# KiCad board temp sensor_panel.kicad_pcb (continued)
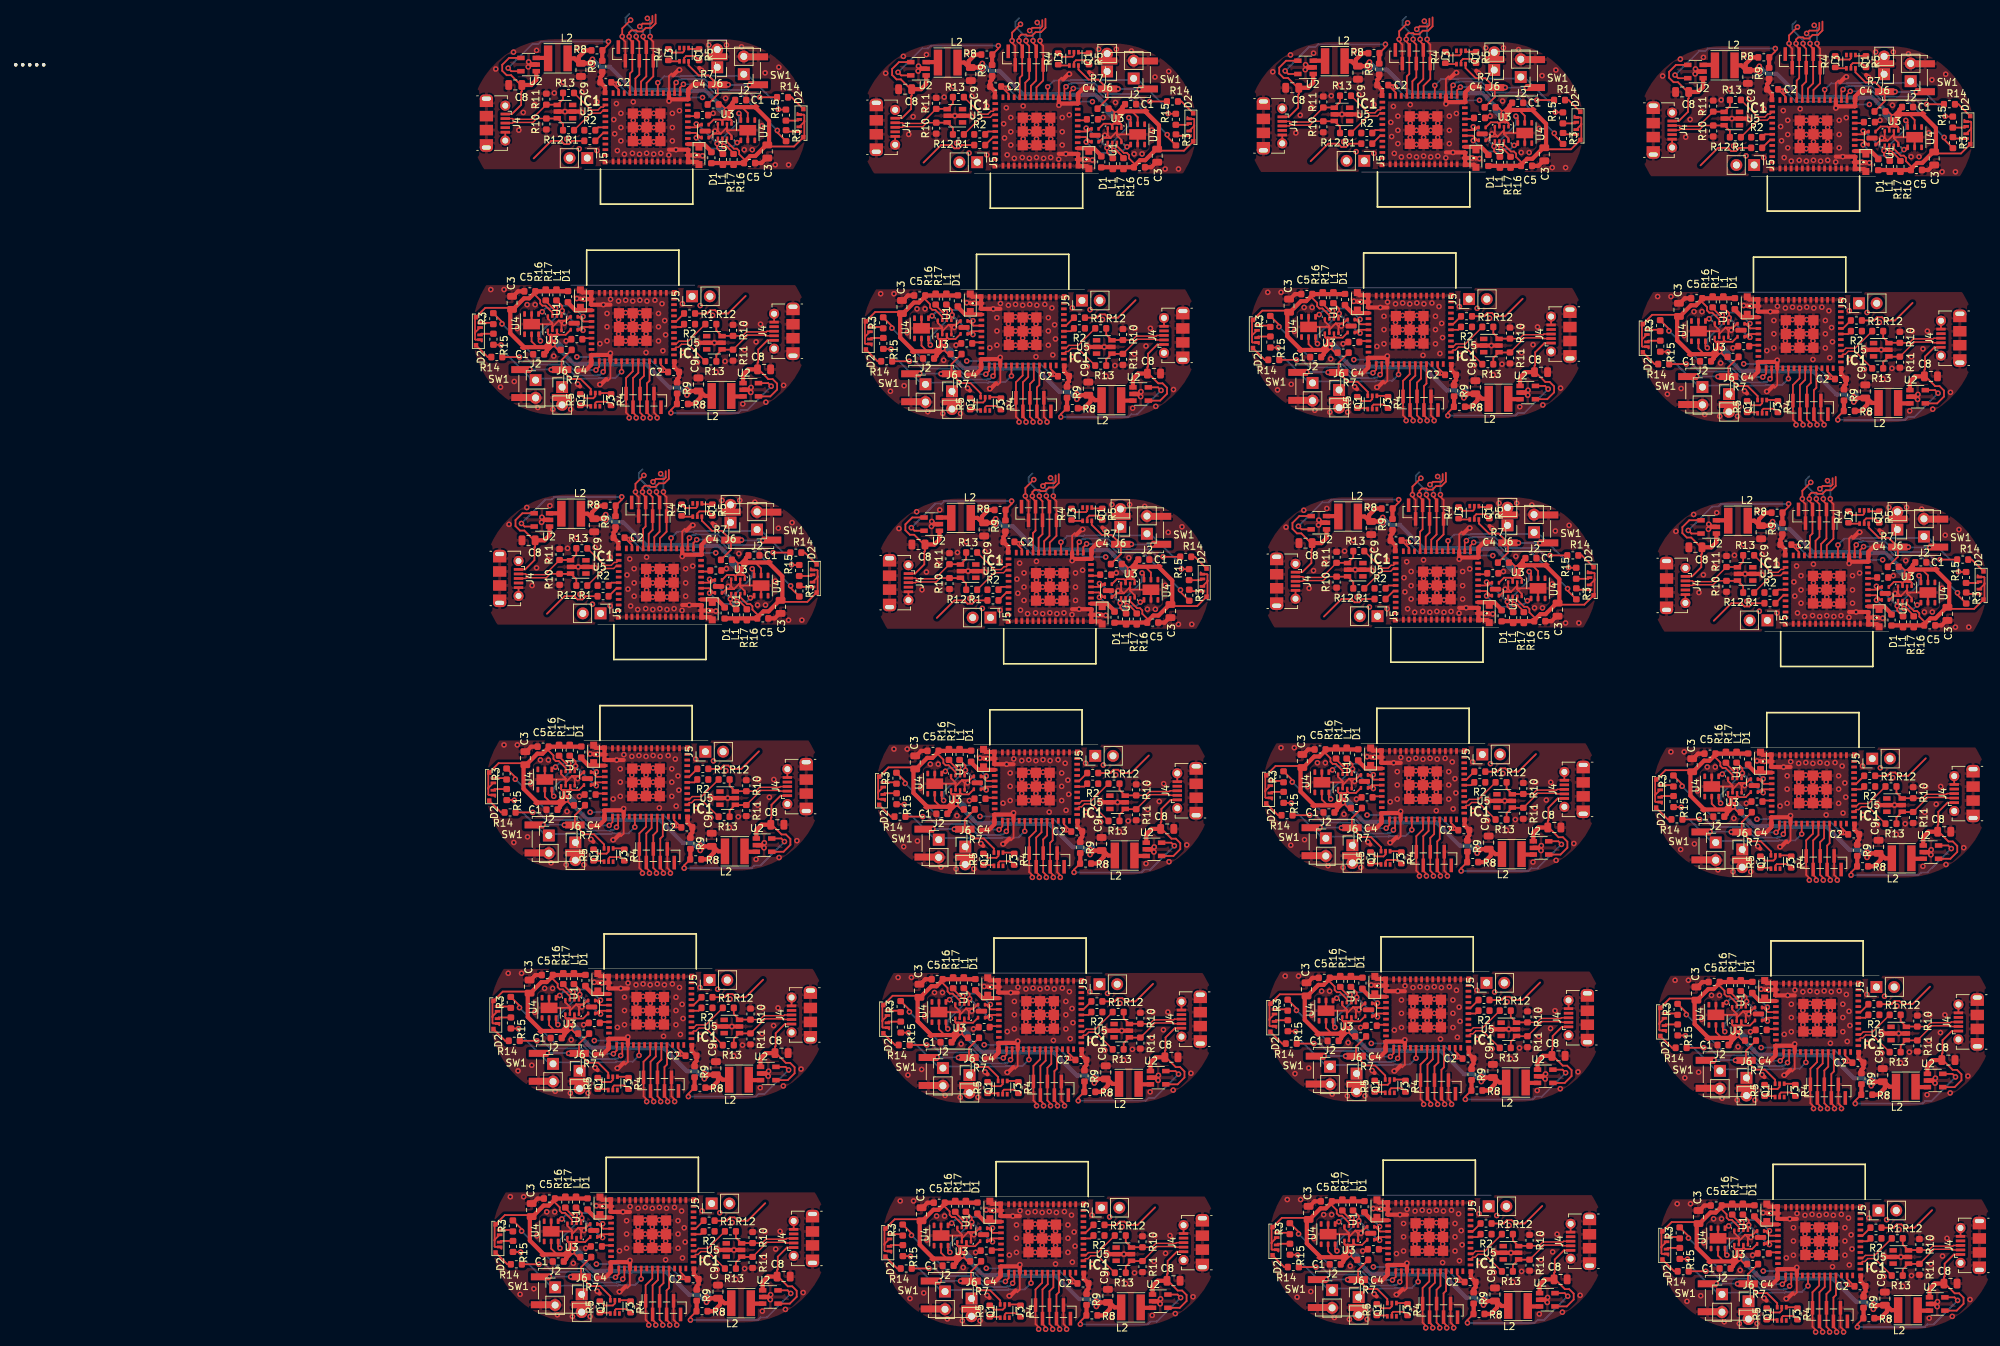
[diagram p0: board, top side]
## Routing (per net, layer and track width the routed paths; a pad name or vN(x,y) marks a point on that pad's centre or on a via; arc(x,y) is an arc through that point) (continued)
  Top w0.6: C1.1 -3.43,121.35 -3.43,121.5 v1(-2.54,122.39) ; v1(-2.41,123.28) -2.41,123.03 ; v1(-2.41,123.28) -2.41,122.52 v1(-2.54,122.39) ; v1(-2.41,123.28) -3.68,122.01 -6.6,122.01 -6.69,121.92 ; C9.1 17.22,115.74 ; 17.22,115.74 v1(16.64,115.15) ; 17.22,115.74 16.81,115.74 v1(16.64,115.91) ; v1(-2.54,122.39) -2.79,122.64 -2.79,123.66 ; R8.2 17.65,113.88 18.59,114.82 18.59,115.66 19.23,115.02 L2.2 ; -6.69,121.92 -6.82,121.92 ; -6.69,121.92 -6.69,122.05 -8.64,124 -8.64,127.28 ; L1.1 -0.41,130.01 -4.93,130.01 -5.93,129.01 -6.67,129.01 -8.26,127.42 ; C1#2.1 23.19,157.04 23.19,156.89 v1(22.3,156) ; v1(22.18,155.11) 22.18,155.37 ; v1(22.18,155.11) 22.18,155.87 v1(22.3,156) ; v1(22.18,155.11) 23.45,156.38 26.37,156.38 26.46,156.47 ; v1(22.3,156) 22.56,155.75 22.56,154.73 ; 2.54,162.65 2.95,162.65 v1(3.13,162.48) ; 2.54,162.65 C9#2.1 ; 2.54,162.65 v1(3.13,163.24) ; 26.46,156.47 26.59,156.47 ; 26.46,156.47 26.46,156.34 28.4,154.4 28.4,151.11 ; R8#2.2 2.11,164.51 1.17,163.57 1.17,162.73 0.54,163.37 L2#2.2 ; 28.02,150.97 26.44,149.39 25.7,149.39 24.69,148.38 20.17,148.38 L1#2.1 ; C1#4.1 52.37,120.75 52.37,120.9 v1(53.26,121.79) ; v1(53.39,122.68) 53.39,122.43 ; v1(53.39,122.68) 53.39,121.92 v1(53.26,121.79) ; v1(53.39,122.68) 52.12,121.41 49.2,121.41 49.11,121.32 ; v1(53.26,121.79) 53.01,122.04 53.01,123.06 ; 73.02,115.14 72.61,115.14 v1(72.44,115.31) ; 73.02,115.14 C9#4.1 ; 73.02,115.14 v1(72.44,114.55) ; 49.11,121.32 48.98,121.32 ; 49.11,121.32 49.11,121.45 47.16,123.4 47.16,126.68 ; R8#4.2 73.45,113.28 74.39,114.22 74.39,115.06 75.03,114.42 L2#4.2 ; 47.55,126.82 49.13,128.41 49.87,128.41 50.87,129.41 55.39,129.41 L1#4.1 ; C1#3.1 78.99,156.44 78.99,156.29 v1(78.1,155.4) ; C9#3.1 58.34,162.05 ; 58.34,162.05 58.75,162.05 v1(58.93,161.88) ; 58.34,162.05 v1(58.93,162.64) ; v1(78.1,155.4) 77.98,155.27 v1(77.98,154.51) ; v1(78.1,155.4) 78.36,155.15 78.36,154.13 ; 82.26,155.87 82.39,155.87 ; 82.26,155.87 82.17,155.78 79.25,155.78 v1(77.98,154.51) ; 82.26,155.87 82.26,155.74 84.2,153.8 84.2,150.51 ; R8#3.2 57.91,163.91 56.97,162.97 56.97,162.13 56.34,162.77 L2#3.2 ; v1(77.98,154.51) 77.98,154.77 ; 83.82,150.37 82.24,148.79 81.5,148.79 80.49,147.78 75.97,147.78 L1#3.1 ; C1#6.1 107.77,120.95 107.77,121.1 v1(108.66,121.99) ; v1(108.79,122.88) 108.79,122.63 ; v1(108.79,122.88) 108.79,122.12 v1(108.66,121.99) ; v1(108.79,122.88) 107.52,121.61 104.6,121.61 104.51,121.52 ; v1(108.66,121.99) 108.41,122.25 108.41,123.26 ; 128.42,115.34 128.01,115.34 v1(127.84,115.51) ; 128.42,115.34 C9#6.1 ; 128.42,115.34 v1(127.84,114.75) ; 104.51,121.52 104.38,121.52 ; 104.51,121.52 104.51,121.65 102.56,123.6 102.56,126.88 ; R8#6.2 128.85,113.48 129.79,114.42 129.79,115.26 130.43,114.62 L2#6.2 ; 102.95,127.02 104.53,128.61 105.27,128.61 106.27,129.61 110.79,129.61 L1#6.1 ; C1#5.1 134.39,156.64 134.39,156.49 v1(133.5,155.6) ; C9#5.1 113.74,162.25 ; 113.74,162.25 114.15,162.25 v1(114.33,162.08) ; 113.74,162.25 v1(114.33,162.84) ; v1(133.5,155.6) 133.38,155.47 v1(133.38,154.71) ; v1(133.5,155.6) 133.76,155.35 133.76,154.33 ; 137.66,156.07 137.79,156.07 ; 137.66,156.07 137.57,155.98 134.65,155.98 v1(133.38,154.71) ; 137.66,156.07 137.66,155.94 139.6,154 139.6,150.71 ; R8#5.2 113.31,164.11 112.37,163.17 112.37,162.33 111.74,162.97 L2#5.2 ; v1(133.38,154.71) 133.38,154.97 ; 139.22,150.57 137.64,148.99 136.9,148.99 135.89,147.98 131.37,147.98 L1#5.1 ; C1#8.1 163.57,120.35 163.57,120.5 v1(164.46,121.39) ; R8#8.2 184.65,112.88 185.59,113.82 185.59,114.66 186.23,114.02 L2#8.2 ; 184.22,114.74 183.81,114.74 v1(183.64,114.91) ; 184.22,114.74 C9#8.1 ; 184.22,114.74 v1(183.64,114.15) ; v1(164.46,121.39) 164.21,121.64 164.21,122.66 ; v1(164.46,121.39) 164.59,121.52 v1(164.59,122.28) ; v1(164.59,122.28) 164.59,122.03 ; v1(164.59,122.28) 163.32,121.01 160.4,121.01 160.31,120.92 ; 160.31,120.92 160.18,120.92 ; 160.31,120.92 160.31,121.05 158.36,123 158.36,126.28 ; 158.75,126.42 160.33,128.01 161.07,128.01 162.07,129.01 166.59,129.01 L1#8.1 ; C1#7.1 190.19,156.04 190.19,155.89 v1(189.3,155) ; 169.54,161.65 169.95,161.65 v1(170.13,161.48) ; 169.54,161.65 C9#7.1 ; 169.54,161.65 v1(170.13,162.24) ; v1(189.3,155) 189.56,154.75 189.56,153.73 ; v1(189.3,155) 189.18,154.87 v1(189.18,154.11) ; 193.46,155.47 193.59,155.47 ; 193.46,155.47 193.37,155.38 190.45,155.38 v1(189.18,154.11) ; 193.46,155.47 193.46,155.34 195.4,153.4 195.4,150.11 ; R8#7.2 169.11,163.51 168.17,162.57 168.17,161.73 167.54,162.37 L2#7.2 ; L1#7.1 187.17,147.38 191.69,147.38 192.7,148.39 193.44,148.39 195.02,149.97 ; v1(189.18,154.11) 189.18,154.37 ; C1#10.1 -1.53,56.15 -1.53,56.3 v1(-0.64,57.19) ; v1(-0.51,58.08) -0.51,57.83 ; v1(-0.51,58.08) -0.51,57.32 v1(-0.64,57.19) ; v1(-0.51,58.08) -1.78,56.81 -4.7,56.81 -4.79,56.72 ; v1(-0.64,57.19) -0.89,57.44 -0.89,58.46 ; 19.12,50.54 18.71,50.54 v1(18.54,50.71) ; 19.12,50.54 C9#10.1 ; 19.12,50.54 v1(18.54,49.95) ; -4.79,56.72 -4.92,56.72 ; -4.79,56.72 -4.79,56.85 -6.74,58.8 -6.74,62.08 ; R8#10.2 19.55,48.68 20.49,49.62 20.49,50.46 21.13,49.82 L2#10.2 ; -6.36,62.22 -4.77,63.81 -4.03,63.81 -3.03,64.81 1.49,64.81 L1#10.1 ; C1#9.1 25.09,91.84 25.09,91.69 v1(24.2,90.8) ; C9#9.1 4.44,97.45 ; 4.44,97.45 4.85,97.45 v1(5.03,97.28) ; 4.44,97.45 v1(5.03,98.04) ; v1(24.2,90.8) 24.08,90.67 v1(24.08,89.91) ; v1(24.2,90.8) 24.46,90.55 24.46,89.53 ; 28.36,91.27 28.49,91.27 ; 28.36,91.27 28.27,91.18 25.35,91.18 v1(24.08,89.91) ; 28.36,91.27 28.36,91.14 30.3,89.2 30.3,85.91 ; R8#9.2 4.01,99.31 3.07,98.37 3.07,97.53 2.44,98.17 L2#9.2 ; v1(24.08,89.91) 24.08,90.17 ; 29.92,85.77 28.34,84.19 27.6,84.19 26.59,83.18 22.07,83.18 L1#9.1 ; C1#13.1 54.27,55.55 54.27,55.7 v1(55.16,56.59) ; R8#13.2 75.35,48.08 76.29,49.02 76.29,49.86 76.93,49.22 L2#13.2 ; 74.92,49.94 74.51,49.94 v1(74.34,50.11) ; 74.92,49.94 C9#13.1 ; 74.92,49.94 v1(74.34,49.35) ; v1(55.16,56.59) 54.91,56.84 54.91,57.86 ; v1(55.16,56.59) 55.29,56.72 v1(55.29,57.48) ; v1(55.29,57.48) 55.29,57.23 ; v1(55.29,57.48) 54.02,56.21 51.1,56.21 51.01,56.12 ; 51.01,56.12 50.88,56.12 ; 51.01,56.12 51.01,56.25 49.06,58.2 49.06,61.48 ; 49.44,61.62 51.03,63.21 51.77,63.21 52.77,64.21 57.29,64.21 L1#14.1 ; C1#12.1 80.89,91.24 80.89,91.09 v1(80,90.2) ; 60.24,96.85 60.65,96.85 v1(60.83,96.68) ; 60.24,96.85 C9#12.1 ; 60.24,96.85 v1(60.83,97.44) ; v1(80,90.2) 80.26,89.95 80.26,88.93 ; v1(80,90.2) 79.88,90.07 v1(79.88,89.31) ; 84.16,90.67 84.29,90.67 ; 84.16,90.67 84.07,90.58 81.15,90.58 v1(79.88,89.31) ; 84.16,90.67 84.16,90.54 86.1,88.6 86.1,85.31 ; R8#12.2 59.81,98.71 58.87,97.77 58.87,96.93 58.24,97.57 L2#12.2 ; L1#13.1 77.87,82.58 82.39,82.58 83.4,83.59 84.14,83.59 85.72,85.17 ; v1(79.88,89.31) 79.88,89.57 ; C1#15.1 109.67,55.75 109.67,55.9 v1(110.56,56.79) ; v1(110.69,57.68) 110.69,57.43 ; v1(110.69,57.68) 109.42,56.41 106.5,56.41 106.41,56.32 ; v1(110.69,57.68) 110.69,56.92 v1(110.56,56.79) ; R8#15.2 130.75,48.28 131.69,49.22 131.69,50.06 132.33,49.43 L2#15.2 ; 110.31,58.06 110.31,57.05 v1(110.56,56.79) ; 130.32,50.14 129.91,50.14 v1(129.74,50.31) ; 130.32,50.14 C9#15.1 ; 130.32,50.14 v1(129.74,49.55) ; 106.41,56.32 106.41,56.45 104.46,58.4 104.46,61.68 ; 106.41,56.32 106.28,56.32 ; 104.84,61.82 106.43,63.41 107.17,63.41 108.17,64.41 112.69,64.41 L1#16.1 ; C1#14.1 136.29,91.44 136.29,91.29 v1(135.4,90.4) ; v1(135.4,90.4) 135.28,90.27 v1(135.28,89.51) ; v1(135.4,90.4) 135.66,90.15 135.66,89.13 ; R8#14.2 115.21,98.91 114.27,97.97 114.27,97.13 113.64,97.77 L2#14.2 ; 139.56,90.87 139.69,90.87 ; 139.56,90.87 139.47,90.78 136.55,90.78 v1(135.28,89.51) ; 139.56,90.87 139.56,90.74 141.5,88.8 141.5,85.51 ; C9#14.1 115.64,97.05 ; 115.64,97.05 116.05,97.05 v1(116.23,96.88) ; 115.64,97.05 v1(116.23,97.64) ; v1(135.28,89.51) 135.28,89.77 ; 141.12,85.37 139.54,83.79 138.8,83.79 137.79,82.78 133.27,82.78 L1#15.1 ; C1#11.1 165.47,55.15 165.47,55.3 v1(166.36,56.19) ; R8#11.2 186.55,47.68 187.49,48.62 187.49,49.46 188.13,48.82 L2#11.2 ; 162.21,55.72 162.3,55.81 165.22,55.81 v1(166.49,57.08) ; 162.21,55.72 162.08,55.72 ; 162.21,55.72 162.21,55.85 160.26,57.8 160.26,61.08 ; v1(166.36,56.19) 166.49,56.32 v1(166.49,57.08) ; v1(166.36,56.19) 166.11,56.44 166.11,57.46 ; 186.12,49.54 185.71,49.54 v1(185.54,49.71) ; 186.12,49.54 C9#11.1 ; 186.12,49.54 v1(185.54,48.95) ; v1(166.49,57.08) 166.49,56.83 ; 160.64,61.22 162.23,62.81 162.97,62.81 163.97,63.81 168.49,63.81 L1#11.1 ; v1(191.2,89.8) 191.46,89.55 191.46,88.53 ; v1(191.2,89.8) 191.08,89.67 v1(191.08,88.91) ; v1(191.2,89.8) 192.09,90.69 192.09,90.84 C1#16.1 ; 171.44,96.45 171.85,96.45 v1(172.03,96.28) ; 171.44,96.45 v1(172.03,97.04) ; 171.44,96.45 C9#16.1 ; 195.36,90.27 195.49,90.27 ; 195.36,90.27 195.27,90.18 192.35,90.18 v1(191.08,88.91) ; 195.36,90.27 195.36,90.14 197.3,88.2 197.3,84.91 ; R8#16.2 171.01,98.31 170.07,97.37 170.07,96.53 169.44,97.17 L2#16.2 ; L1#12.1 189.07,82.18 193.59,82.18 194.6,83.19 195.34,83.19 196.92,84.77 ; v1(191.08,88.91) 191.08,89.17 ; -5.76,29.52 -4.17,31.11 -3.43,31.11 -2.43,32.11 2.09,32.11 L1#19.1 ; C1#18.1 -0.93,23.45 -0.93,23.6 v1(-0.04,24.49) ; -0.29,25.76 -0.29,24.75 v1(-0.04,24.49) ; v1(0.09,25.38) 0.09,25.13 ; v1(0.09,25.38) 0.09,24.62 v1(-0.04,24.49) ; v1(0.09,25.38) -1.18,24.11 -4.1,24.11 -4.19,24.02 ; R8#18.2 20.15,15.98 21.09,16.92 21.09,17.76 21.73,17.12 L2#18.2 ; -4.19,24.02 -4.19,24.15 -6.14,26.1 -6.14,29.38 ; -4.19,24.02 -4.32,24.02 ; 19.72,17.84 19.31,17.84 v1(19.14,18.01) ; 19.72,17.84 C9#18.1 ; 19.72,17.84 v1(19.14,17.25) ; 75.52,17.24 75.11,17.24 v1(74.94,17.41) ; 75.52,17.24 C9#20.1 ; 75.52,17.24 v1(74.94,16.65) ; v1(55.76,23.89) 55.51,24.15 55.51,25.16 ; v1(55.76,23.89) 54.87,23 54.87,22.85 C1#20.1 ; v1(55.76,23.89) 55.89,24.02 v1(55.89,24.78) ; v1(55.89,24.78) 55.89,24.53 ; v1(55.89,24.78) 54.62,23.51 51.7,23.51 51.61,23.42 ; R8#20.2 75.95,15.38 76.89,16.32 76.89,17.16 77.53,16.53 L2#20.2 ; 51.61,23.42 51.48,23.42 ; 51.61,23.42 51.61,23.55 49.66,25.5 49.66,28.78 ; 50.05,28.92 51.63,30.51 52.37,30.51 53.37,31.51 57.89,31.51 L1#20.1 ; C1#17.1 110.27,23.05 110.27,23.2 v1(111.16,24.09) ; 110.91,25.36 110.91,24.34 v1(111.16,24.09) ; R8#17.2 131.35,15.58 132.29,16.52 132.29,17.36 132.93,16.72 L2#17.2 ; v1(111.29,24.98) 111.29,24.73 ; v1(111.29,24.98) 110.02,23.71 107.1,23.71 107.01,23.62 ; v1(111.29,24.98) 111.29,24.22 v1(111.16,24.09) ; 130.92,17.44 130.51,17.44 v1(130.34,17.61) ; 130.92,17.44 C9#17.1 ; 130.92,17.44 v1(130.34,16.85) ; 107.01,23.62 107.01,23.75 105.06,25.7 105.06,28.98 ; 107.01,23.62 106.88,23.62 ; L1#17.1 113.29,31.71 108.77,31.71 107.77,30.71 107.03,30.71 105.45,29.12 ; C1#19.1 166.07,22.45 166.07,22.6 v1(166.96,23.49) ; 186.72,16.84 186.31,16.84 v1(186.14,17.01) ; 186.72,16.84 C9#19.1 ; 186.72,16.84 v1(186.14,16.25) ; 162.81,23.02 162.9,23.11 165.82,23.11 v1(167.09,24.38) ; 162.81,23.02 162.68,23.02 ; 162.81,23.02 162.81,23.15 160.86,25.1 160.86,28.38 ; v1(166.96,23.49) 167.09,23.62 v1(167.09,24.38) ; v1(166.96,23.49) 166.71,23.75 166.71,24.76 ; R8#19.2 187.15,14.98 188.09,15.92 188.09,16.76 188.73,16.12 L2#19.2 ; 161.25,28.52 162.83,30.11 163.57,30.11 164.57,31.11 169.09,31.11 L1#18.1 ; v1(167.09,24.38) 167.09,24.13 ; 131.22,-14.56 130.81,-14.56 v1(130.64,-14.39) ; 131.22,-14.56 v1(130.64,-15.15) ; 131.22,-14.56 C9#22.1 ; v1(111.46,-7.91) 110.57,-8.8 110.57,-8.95 C1#23.1 ; v1(111.46,-7.91) 111.59,-7.78 v1(111.59,-7.02) ; v1(111.46,-7.91) 111.21,-7.66 111.21,-6.64 ; 107.31,-8.38 107.4,-8.29 110.32,-8.29 v1(111.59,-7.02) ; 107.31,-8.38 107.31,-8.25 105.36,-6.3 105.36,-3.02 ; 107.31,-8.38 107.18,-8.38 ; v1(111.59,-7.02) 111.59,-7.27 ; R8#23.2 131.65,-16.42 132.59,-15.48 132.59,-14.64 133.23,-15.28 L2#22.2 ; 49.96,-3.22 49.96,-6.5 51.91,-8.45 51.91,-8.58 ; L2#24.2 77.83,-15.47 77.19,-14.84 77.19,-15.68 76.25,-16.62 R8#24.2 ; L1#24.1 58.19,-0.49 53.67,-0.49 52.67,-1.49 51.93,-1.49 50.34,-3.08 ; -5.46,-2.48 -3.87,-0.89 -3.13,-0.89 -2.13,0.11 2.39,0.11 L1#21.1 ; C1#21.1 -0.63,-8.55 -0.63,-8.4 v1(0.26,-7.51) ; 0.01,-6.24 0.01,-7.25 v1(0.26,-7.51) ; -3.89,-7.98 -3.8,-7.89 -0.88,-7.89 v1(0.39,-6.62) ; -3.89,-7.98 -4.02,-7.98 ; -3.89,-7.98 -3.89,-7.85 -5.84,-5.9 -5.84,-2.62 ; 20.02,-14.16 19.61,-14.16 v1(19.44,-13.99) ; 20.02,-14.16 C9#21.1 ; 20.02,-14.16 v1(19.44,-14.75) ; v1(0.26,-7.51) 0.39,-7.38 v1(0.39,-6.62) ; v1(0.39,-6.62) 0.39,-6.87 ; R8#21.2 20.45,-16.02 21.39,-15.08 21.39,-14.24 22.03,-14.88 L2#21.2 ; 75.82,-14.76 75.41,-14.76 v1(75.24,-14.59) ; 75.82,-14.76 C9#24.1 ; 75.82,-14.76 v1(75.24,-15.35) ; v1(56.19,-7.22) 56.19,-7.47 ; v1(56.19,-7.22) 54.92,-8.49 52,-8.49 51.91,-8.58 ; v1(56.19,-7.22) 56.19,-7.98 v1(56.06,-8.11) ; v1(56.06,-8.11) 55.81,-7.85 55.81,-6.84 ; v1(56.06,-8.11) 55.17,-9 55.17,-9.15 C1#24.1 ; 51.91,-8.58 51.78,-8.58 ; 187.02,-15.16 186.61,-15.16 v1(186.44,-14.99) ; 187.02,-15.16 C9#23.1 ; 187.02,-15.16 v1(186.44,-15.75) ; C1#22.1 166.37,-9.55 166.37,-9.4 v1(167.26,-8.51) ; v1(167.26,-8.51) 167.01,-8.25 167.01,-7.24 ; v1(167.26,-8.51) 167.39,-8.38 v1(167.39,-7.62) ; 163.11,-8.98 163.2,-8.89 166.12,-8.89 v1(167.39,-7.62) ; 163.11,-8.98 163.11,-8.85 161.16,-6.9 161.16,-3.62 ; 163.11,-8.98 162.98,-8.98 ; R8#22.2 187.45,-17.02 188.39,-16.08 188.39,-15.24 189.03,-15.88 L2#23.2 ; 161.55,-3.48 163.13,-1.89 163.87,-1.89 164.87,-0.89 169.39,-0.89 L1#22.1 ; v1(167.39,-7.62) 167.39,-7.87 ; L1#23.1 113.59,-0.29 109.07,-0.29 108.07,-1.29 107.33,-1.29 105.74,-2.88
  Bottom w0.6: -1.28,121.36 -1.28,122.15 v1(-2.41,123.28) ; -1.28,121.36 -2.31,122.39 v1(-2.54,122.39) ; -1.28,121.36 0.45,119.64 4.05,119.64 4.14,119.55 10.84,119.55 14.16,116.23 15.56,116.23 ; 15.56,116.23 v1(16.64,115.15) 17.02,115.53 17.02,116.55 16.64,116.17 v1(16.64,115.91) 15.88,115.91 15.56,116.23 ; 21.05,157.03 21.05,156.24 v1(22.18,155.11) ; 21.05,157.03 22.07,156 v1(22.3,156) ; 21.05,157.03 19.32,158.75 15.71,158.75 15.62,158.84 8.92,158.84 5.6,162.16 4.21,162.16 ; 4.21,162.16 3.89,162.48 v1(3.13,162.48) 3.13,162.22 2.75,161.84 2.75,162.86 v1(3.13,163.24) 4.21,162.16 ; 54.52,120.76 54.52,121.55 v1(53.39,122.68) ; 54.52,120.76 53.49,121.79 v1(53.26,121.79) ; 54.52,120.76 56.25,119.04 59.85,119.04 59.94,118.95 66.64,118.95 69.96,115.63 71.36,115.63 ; 71.36,115.63 71.67,115.31 v1(72.44,115.31) 72.44,115.57 72.82,115.95 72.82,114.93 v1(72.44,114.55) 71.36,115.63 ; 60.01,161.56 59.69,161.88 v1(58.93,161.88) 58.93,161.62 58.55,161.24 58.55,162.26 v1(58.93,162.64) 60.01,161.56 ; 60.01,161.56 61.4,161.56 64.72,158.24 71.42,158.24 71.51,158.15 75.12,158.15 76.85,156.43 ; 76.85,156.43 76.85,155.64 v1(77.98,154.51) ; 76.85,156.43 77.87,155.4 v1(78.1,155.4) ; 109.92,120.96 109.92,121.75 v1(108.79,122.88) ; 109.92,120.96 108.89,121.99 v1(108.66,121.99) ; 109.92,120.96 111.65,119.24 115.25,119.24 115.34,119.15 122.04,119.15 125.36,115.83 126.76,115.83 ; 126.76,115.83 127.08,115.51 v1(127.84,115.51) 127.84,115.77 128.22,116.15 128.22,115.13 v1(127.84,114.75) 126.76,115.83 ; 115.41,161.76 115.09,162.08 v1(114.33,162.08) 114.33,161.82 113.95,161.44 113.95,162.46 v1(114.33,162.84) 115.41,161.76 ; 115.41,161.76 116.8,161.76 120.12,158.44 126.82,158.44 126.91,158.35 130.52,158.35 132.25,156.63 ; 132.25,156.63 132.25,155.84 v1(133.38,154.71) ; 132.25,156.63 133.27,155.6 v1(133.5,155.6) ; 165.72,120.36 165.72,121.15 v1(164.59,122.28) ; 165.72,120.36 164.69,121.39 v1(164.46,121.39) ; 165.72,120.36 167.45,118.64 171.05,118.64 171.14,118.55 177.84,118.55 181.16,115.23 182.56,115.23 ; 182.56,115.23 182.88,114.91 v1(183.64,114.91) 183.64,115.17 184.02,115.55 184.02,114.53 v1(183.64,114.15) 182.56,115.23 ; 171.21,161.16 170.89,161.48 v1(170.13,161.48) 170.13,161.22 169.75,160.84 169.75,161.86 v1(170.13,162.24) 171.21,161.16 ; 171.21,161.16 172.6,161.16 175.92,157.84 182.62,157.84 182.71,157.75 186.32,157.75 188.05,156.03 ; 188.05,156.03 188.05,155.24 v1(189.18,154.11) ; 188.05,156.03 189.07,155 v1(189.3,155) ; 0.62,56.16 0.62,56.95 v1(-0.51,58.08) ; 0.62,56.16 -0.41,57.19 v1(-0.64,57.19) ; 0.62,56.16 2.35,54.44 5.95,54.44 6.04,54.35 12.74,54.35 16.06,51.03 17.46,51.03 ; 17.46,51.03 17.77,50.71 v1(18.54,50.71) 18.54,50.97 18.92,51.35 18.92,50.33 v1(18.54,49.95) 17.46,51.03 ; 6.11,96.96 5.79,97.28 v1(5.03,97.28) 5.03,97.02 4.65,96.64 4.65,97.66 v1(5.03,98.04) 6.11,96.96 ; 6.11,96.96 7.5,96.96 10.82,93.64 17.52,93.64 17.61,93.55 21.22,93.55 22.95,91.83 ; 22.95,91.83 22.95,91.04 v1(24.08,89.91) ; 22.95,91.83 23.97,90.8 v1(24.2,90.8) ; 56.42,55.56 56.42,56.35 v1(55.29,57.48) ; 56.42,55.56 55.39,56.59 v1(55.16,56.59) ; 56.42,55.56 58.15,53.84 61.75,53.84 61.84,53.75 68.54,53.75 71.86,50.43 73.26,50.43 ; 73.26,50.43 73.58,50.11 v1(74.34,50.11) 74.34,50.37 74.72,50.75 74.72,49.73 v1(74.34,49.35) 73.26,50.43 ; 61.91,96.36 61.59,96.68 v1(60.83,96.68) 60.83,96.42 60.45,96.04 60.45,97.06 v1(60.83,97.44) 61.91,96.36 ; 61.91,96.36 63.3,96.36 66.62,93.04 73.32,93.04 73.41,92.95 77.02,92.95 78.75,91.23 ; 78.75,91.23 78.75,90.44 v1(79.88,89.31) ; 78.75,91.23 79.77,90.2 v1(80,90.2) ; 128.66,50.63 128.98,50.31 v1(129.74,50.31) 129.74,50.57 130.12,50.95 130.12,49.93 v1(129.74,49.55) 128.66,50.63 ; 128.66,50.63 127.26,50.63 123.94,53.95 117.24,53.95 117.15,54.04 113.55,54.04 111.82,55.76 ; 111.82,55.76 111.82,56.55 v1(110.69,57.68) ; 111.82,55.76 110.79,56.79 v1(110.56,56.79) ; v1(135.4,90.4) 135.17,90.4 134.15,91.43 ; 117.31,96.56 116.99,96.88 v1(116.23,96.88) 116.23,96.62 115.85,96.24 115.85,97.26 v1(116.23,97.64) 117.31,96.56 ; 117.31,96.56 118.7,96.56 122.02,93.24 128.72,93.24 128.81,93.15 132.42,93.15 134.15,91.43 ; 134.15,91.43 134.15,90.64 v1(135.28,89.51) ; 167.62,55.16 167.62,55.95 v1(166.49,57.08) ; 167.62,55.16 166.59,56.19 v1(166.36,56.19) ; 167.62,55.16 169.35,53.44 172.95,53.44 173.04,53.35 179.74,53.35 183.06,50.03 184.46,50.03 ; 184.46,50.03 184.77,49.71 v1(185.54,49.71) 185.54,49.97 185.92,50.35 185.92,49.33 v1(185.54,48.95) 184.46,50.03 ; 189.95,90.83 189.95,90.04 v1(191.08,88.91) ; 189.95,90.83 190.97,89.8 v1(191.2,89.8) ; 189.95,90.83 188.22,92.55 184.61,92.55 184.52,92.64 177.82,92.64 174.5,95.96 173.11,95.96 ; 173.11,95.96 172.79,96.28 v1(172.03,96.28) 172.03,96.02 171.65,95.64 171.65,96.66 v1(172.03,97.04) 173.11,95.96 ; v1(-0.04,24.49) 0.19,24.49 1.22,23.46 ; 1.22,23.46 1.22,24.25 v1(0.09,25.38) ; 1.22,23.46 2.95,21.74 6.55,21.74 6.64,21.65 13.34,21.65 16.66,18.33 18.06,18.33 ; 18.06,18.33 18.38,18.01 v1(19.14,18.01) 19.14,18.27 19.52,18.65 19.52,17.63 v1(19.14,17.25) 18.06,18.33 ; 57.02,22.86 57.02,23.65 v1(55.89,24.78) ; 57.02,22.86 55.99,23.89 v1(55.76,23.89) ; 57.02,22.86 58.75,21.14 62.35,21.14 62.44,21.05 69.14,21.05 72.46,17.73 73.86,17.73 ; 73.86,17.73 74.17,17.41 v1(74.94,17.41) 74.94,17.67 75.32,18.05 75.32,17.03 v1(74.94,16.65) 73.86,17.73 ; 112.42,23.06 112.42,23.85 v1(111.29,24.98) ; 112.42,23.06 111.39,24.09 v1(111.16,24.09) ; 112.42,23.06 114.15,21.34 117.75,21.34 117.84,21.25 124.54,21.25 127.86,17.93 129.26,17.93 ; 129.26,17.93 129.57,17.61 v1(130.34,17.61) 130.34,17.87 130.72,18.25 130.72,17.23 v1(130.34,16.85) 129.26,17.93 ; 168.22,22.46 168.22,23.25 v1(167.09,24.38) ; 168.22,22.46 167.19,23.49 v1(166.96,23.49) ; 168.22,22.46 169.95,20.74 173.55,20.74 173.64,20.65 180.34,20.65 183.66,17.33 185.06,17.33 ; 185.06,17.33 185.38,17.01 v1(186.14,17.01) 186.14,17.27 186.52,17.65 186.52,16.63 v1(186.14,16.25) 185.06,17.33 ; 168.52,-9.54 168.52,-8.75 v1(167.39,-7.62) ; 168.52,-9.54 167.49,-8.51 v1(167.26,-8.51) ; 168.52,-9.54 170.25,-11.26 173.85,-11.26 173.94,-11.35 180.64,-11.35 183.96,-14.67 185.36,-14.67 ; 129.56,-14.07 v1(130.64,-15.15) 131.02,-14.77 131.02,-13.75 130.64,-14.13 v1(130.64,-14.39) 129.88,-14.39 129.56,-14.07 ; 129.56,-14.07 128.16,-14.07 124.84,-10.75 118.14,-10.75 118.05,-10.66 114.45,-10.66 112.72,-8.94 ; v1(111.46,-7.91) 111.69,-7.91 112.72,-8.94 ; v1(111.59,-7.02) 112.72,-8.15 112.72,-8.94 ; 74.16,-14.27 72.76,-14.27 69.44,-10.95 62.74,-10.95 62.65,-10.86 59.05,-10.86 57.32,-9.14 ; 74.16,-14.27 74.47,-14.59 v1(75.24,-14.59) 75.24,-14.33 75.62,-13.95 75.62,-14.97 v1(75.24,-15.35) 74.16,-14.27 ; 1.52,-8.54 1.52,-7.75 v1(0.39,-6.62) ; 1.52,-8.54 0.49,-7.51 v1(0.26,-7.51) ; 1.52,-8.54 3.25,-10.26 6.85,-10.26 6.94,-10.35 13.64,-10.35 16.96,-13.67 18.36,-13.67 ; 18.36,-13.67 18.67,-13.99 v1(19.44,-13.99) 19.44,-13.73 19.82,-13.35 19.82,-14.37 v1(19.44,-14.75) 18.36,-13.67 ; 57.32,-9.14 56.29,-8.11 v1(56.06,-8.11) ; 57.32,-9.14 57.32,-8.35 v1(56.19,-7.22) ; 185.36,-14.67 185.68,-14.99 v1(186.44,-14.99) 186.44,-14.73 186.82,-14.35 186.82,-15.37 v1(186.44,-15.75) 185.36,-14.67
